# Altium PCB pcb_.PcbDoc
Units mil, origin at the board's own origin, x right, y up, seen from the top; angles counter-clockwise.
Board outline 3149.61 x 3307.09 mil, 4 copper layers (Top Layer, Layer 1, Layer 2, Bottom Layer), stack 23.756 mil thick; 88 components, 79 nets, 394 pads, 77 vias.
Unrouted connection lines stored in the file: 69.
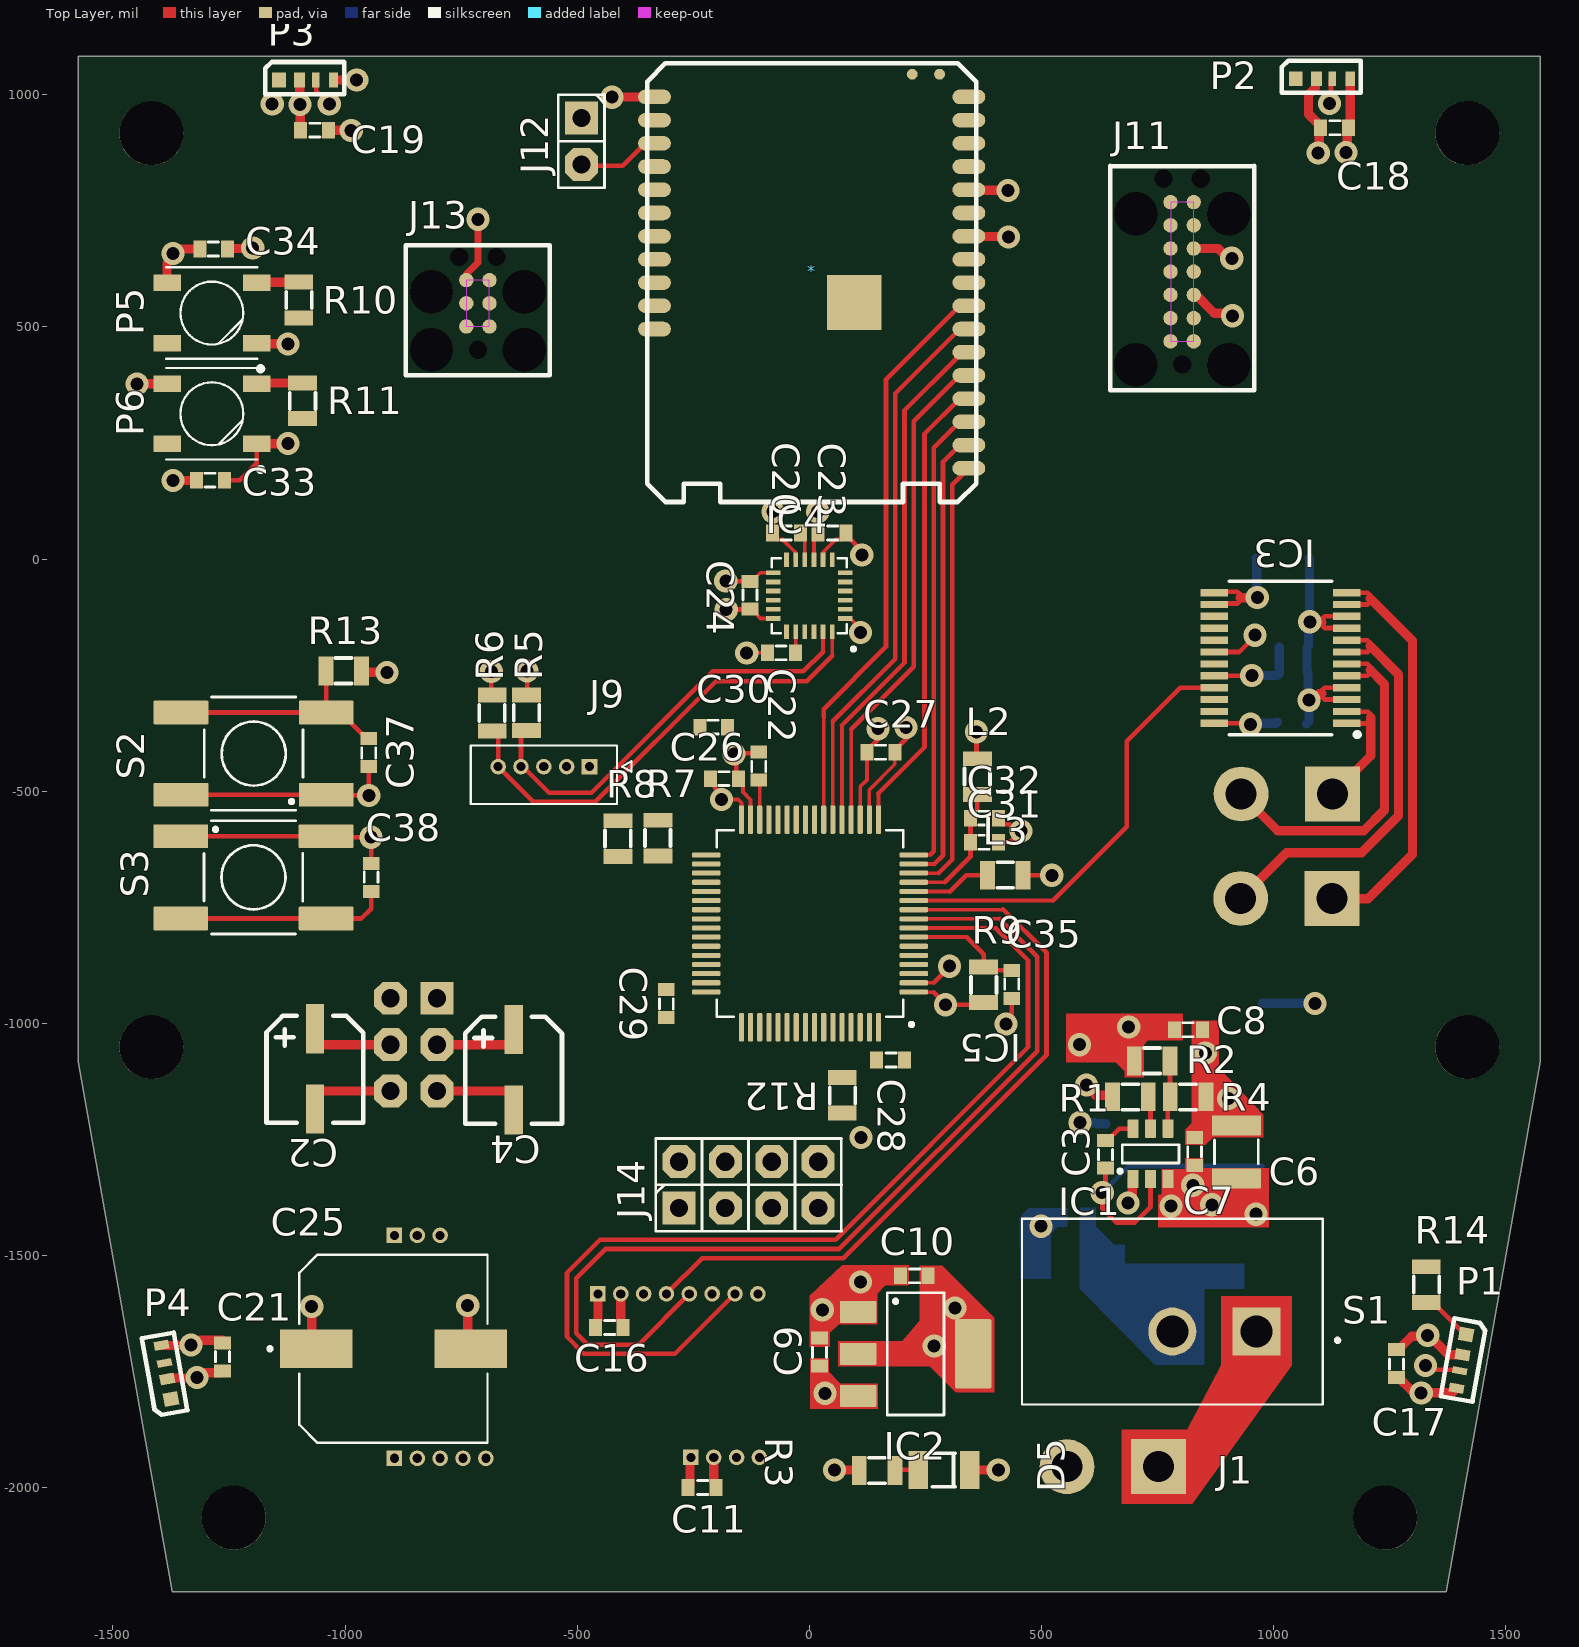
[diagram p0: Top Layer view]
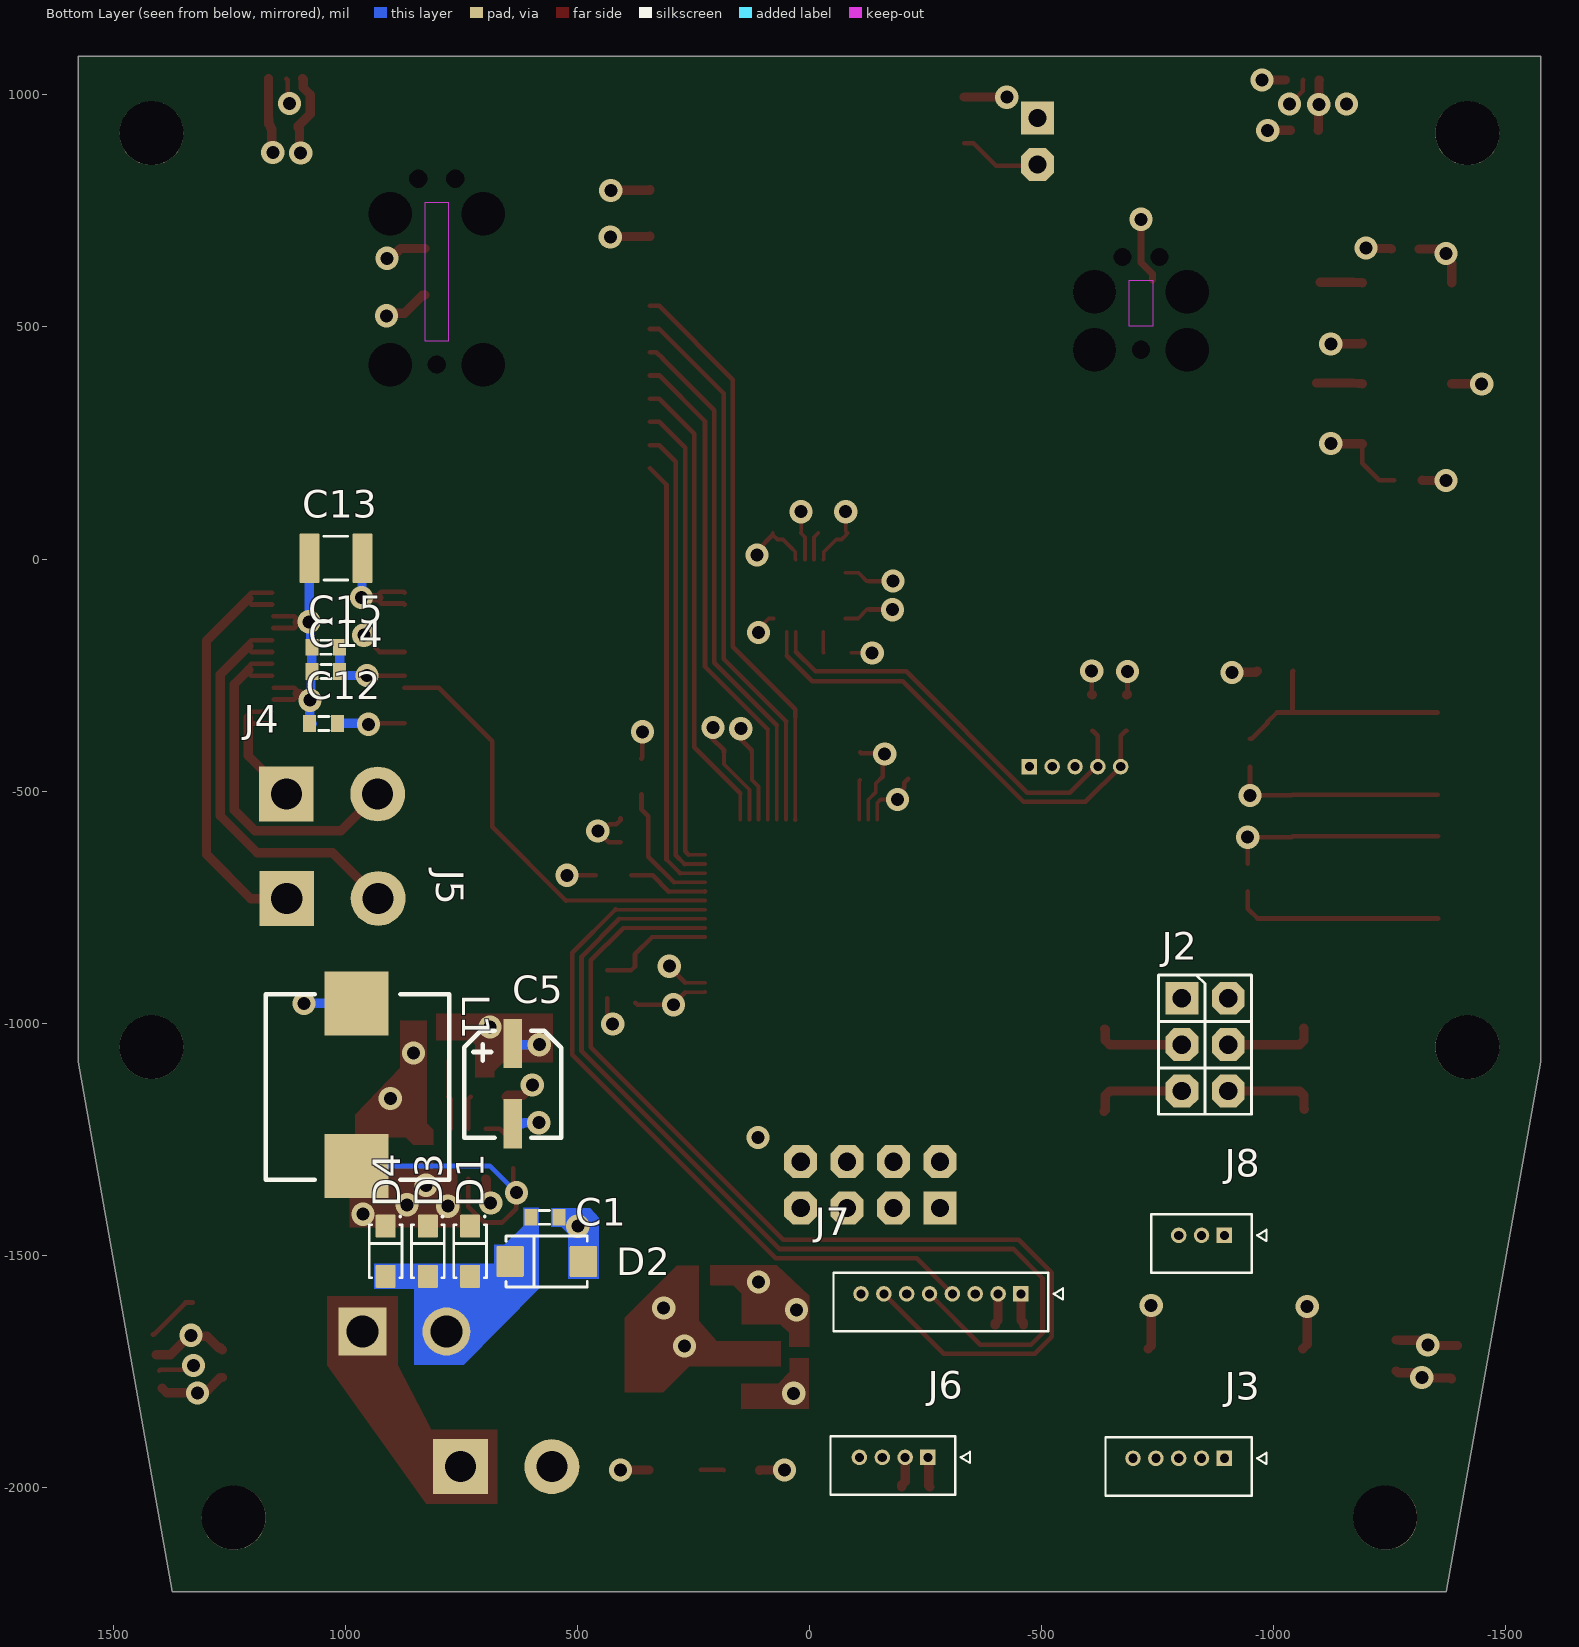
[diagram p1: Bottom Layer view, seen from below]
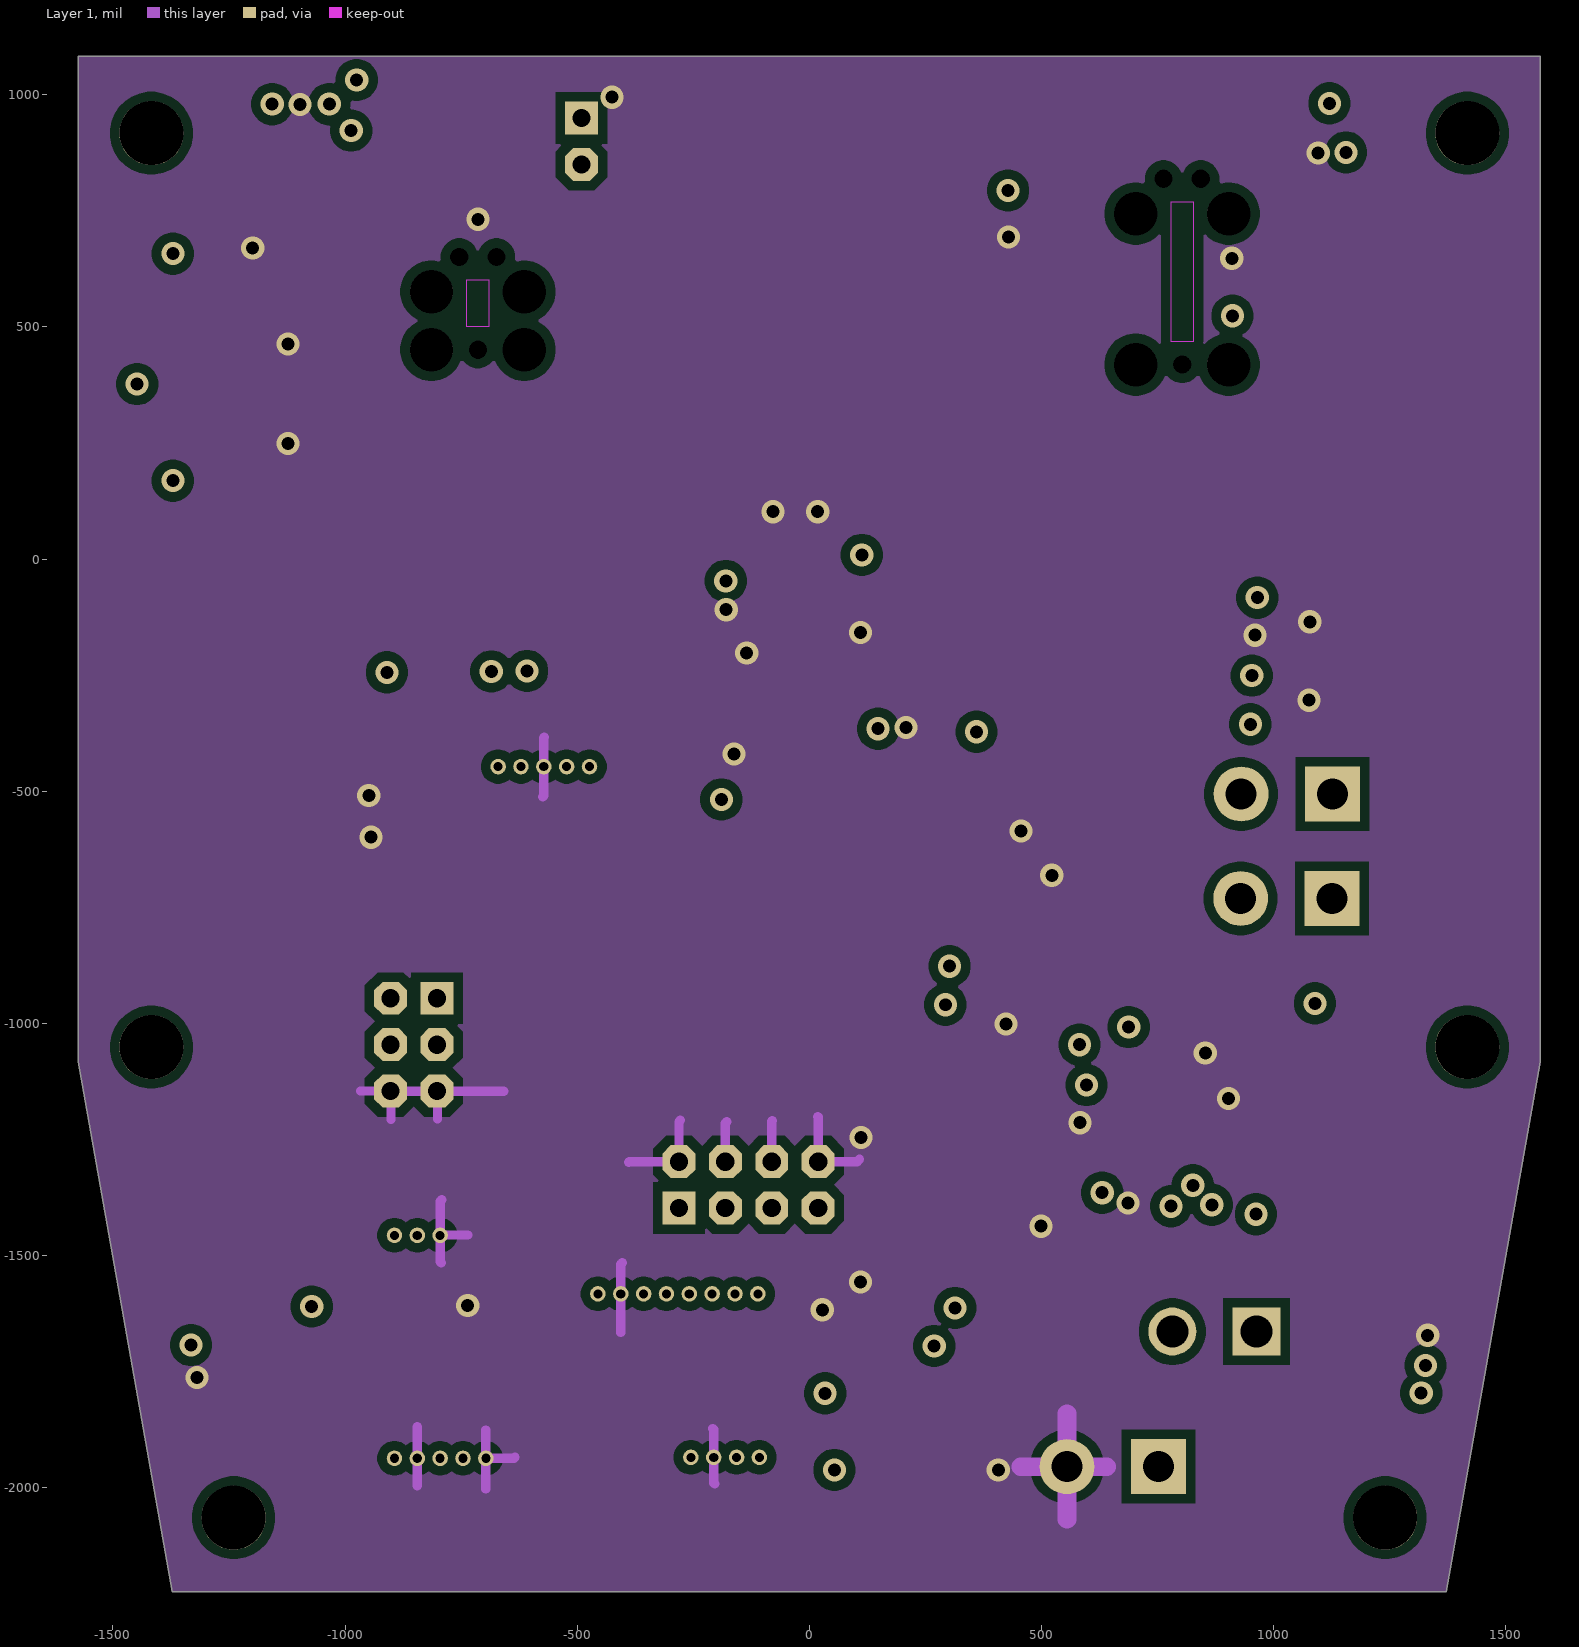
[diagram p2: Layer 1]
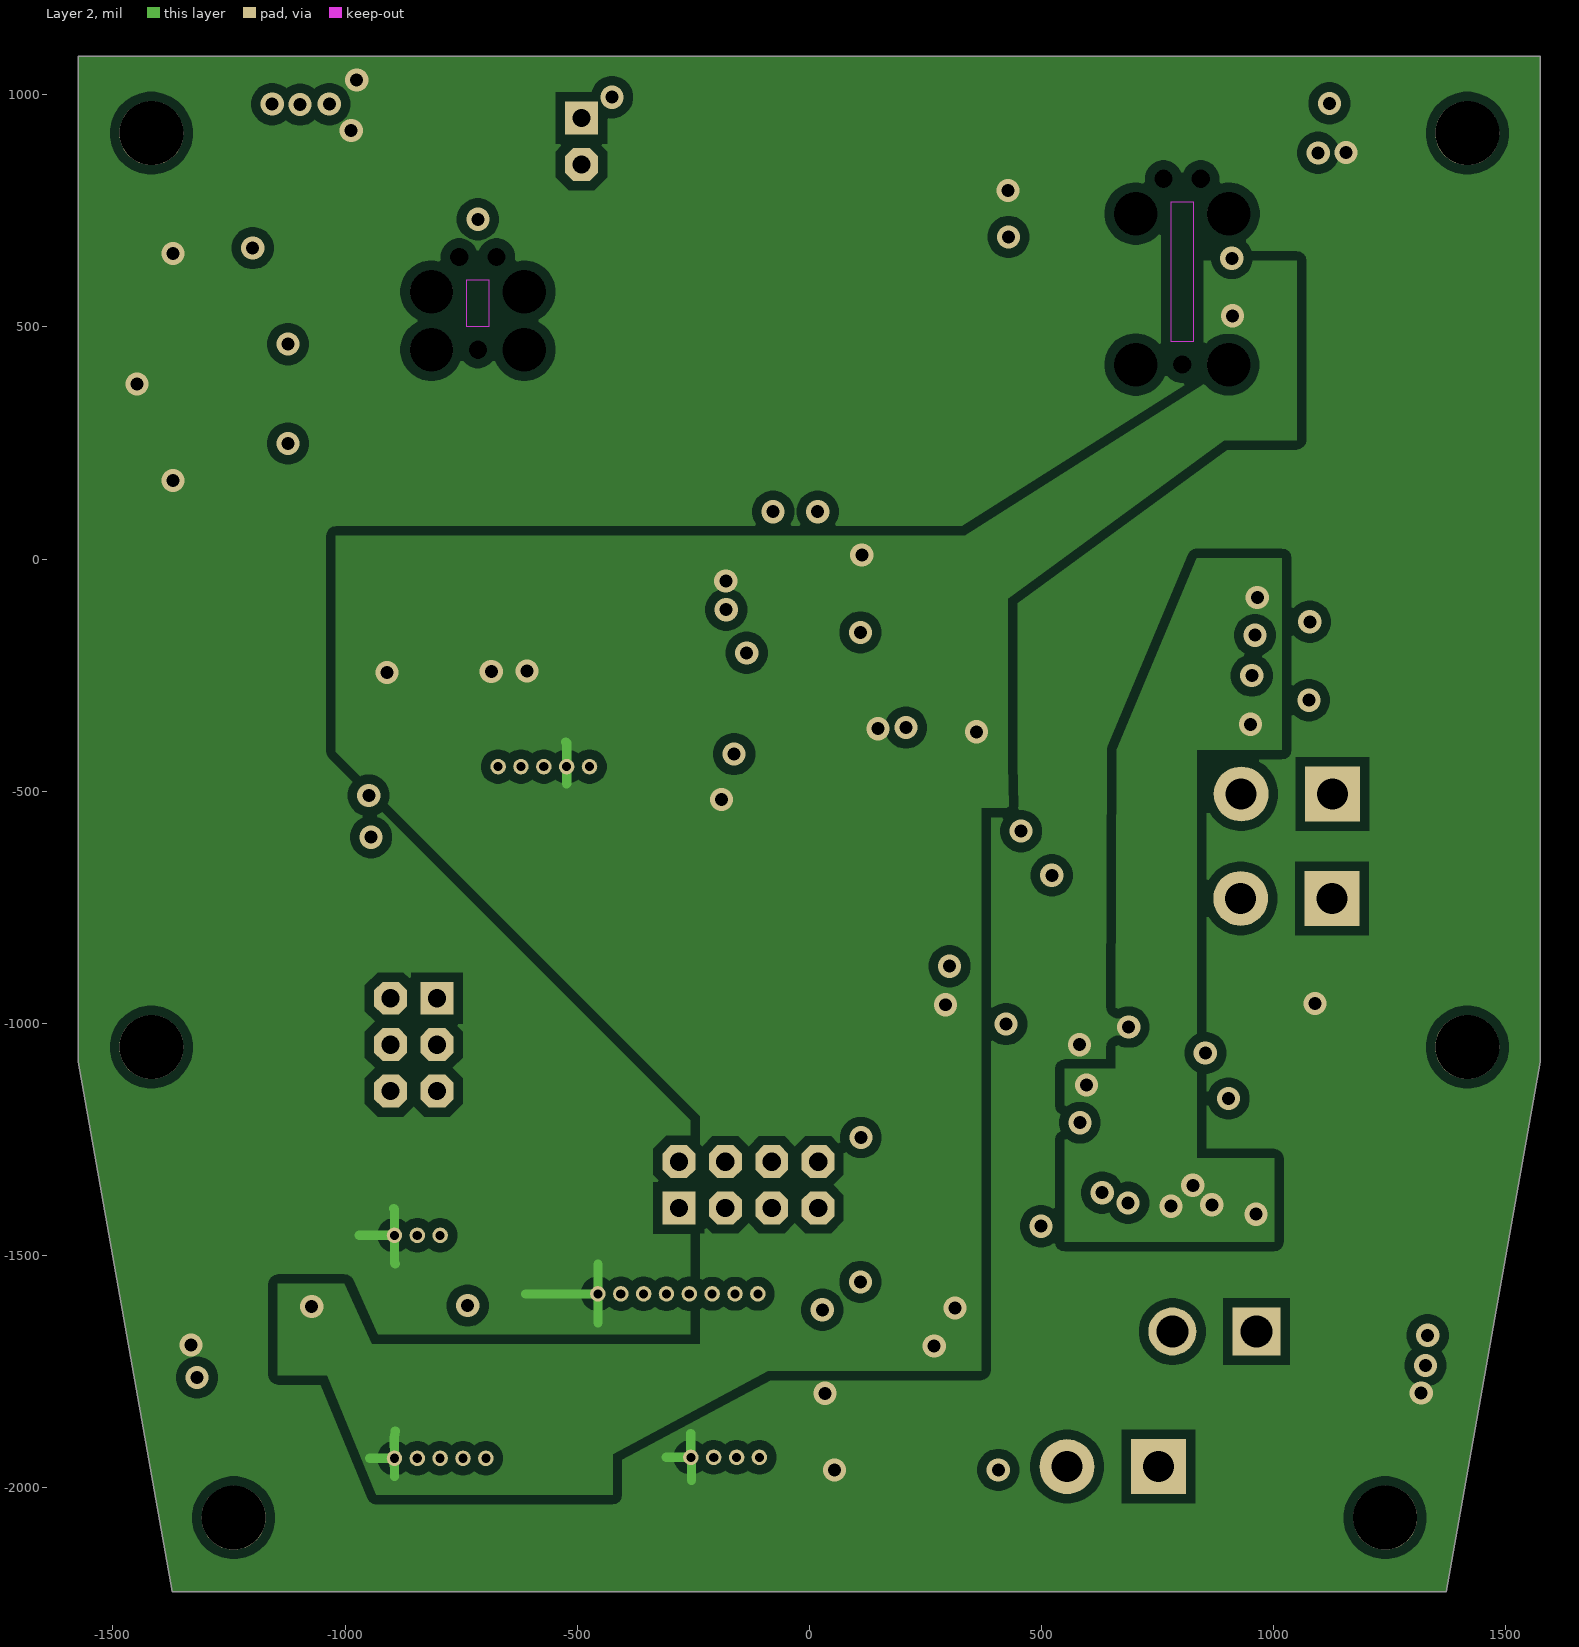
[diagram p3: Layer 2]

## Layer stack, top to bottom
Top Solder: solder mask 0.4, Solder Resist, Dk 3.5
Top Layer: signal copper 1.4
Dielectric 2: prepreg 2.8, PP-006, Dk 4.1
Layer 1: signal copper 1.378
Dielectric 1: dielectric 12.6, FR-4, Dk 4.8
Layer 2: signal copper 1.378
Dielectric 3: prepreg 2.8, PP-006, Dk 4.1
Bottom Layer: signal copper 1.4
Bottom Solder: solder mask 0.4, Solder Resist, Dk 3.5

## Board outline
-1372.12,-2224.3 -1574.69,-1082.57 -1574.69,1082.79 1574.91,1082.79 1574.91,-1082.57 1372.34,-2224.3

## Design rules (kind name [scope] priority, off if disabled: settings)
Clearance Clearance_poly [(InPoly)] p1: gap=20 ignorepadtopadclearanceinfootprint=FALSE
Clearance Clearance_IC [IsPad AND HasFootprint('LM3150') OR IsPad AND HasFootprint('TSSOP14') OR IsPad AND HasFootprint('LQFP48') OR IsPad AND HasFootprint('SOT363') OR IsPad AND HasFootprint('SOT563') OR IsPad AND  HasFootprint('STM32F446RET6') OR IsPad AND  HasFootprint('MSOP-8') OR IsPad AND HasFootprint('MPU_6050') OR IsPad AND HasFootprint('SOP65P760X160-24N') OR IsPad AND    HasFootprint('MEC6-130-02-L-D-RA1')] p2: gap=6 ignorepadtopadclearanceinfootprint=FALSE
Clearance [All] p3: gap=10 ignorepadtopadclearanceinfootprint=FALSE except(0: Arc-Hole Track-Hole SMDPad-Hole THPad-Hole Via-Hole Fill-Hole Poly-Hole Region-Hole Text-Hole)
ComponentClearance [All] p1: gap=20 collisioncheckmode=3 verticalgap=10 showdistances=FALSE
Height [All] p1: minheight=0 maxheight=1500 prefheight=1000
HoleSize [All] p1: absolutevalues=TRUE maxlimit=334.65 minlimit=11.81 maxpercent=80.000 minpercent=20.000
MinimumAnnularRing [All] p1: minimumring=5.91
MinimumSolderMaskSliver [All] p1: minsoldermaskwidth=2
PlaneClearance [All] p1: clearance=10
PolygonConnect PolygonConnect_via [All vs IsVIa] p1: connectstyle=Direct reliefconductorwidth=10 reliefentries=4 polygonreliefangle="90 Angle" airgapwidth=10
PolygonConnect [All] p2: connectstyle=NoConnect reliefconductorwidth=10 reliefentries=4 polygonreliefangle="90 Angle" airgapwidth=20
RoutingVias [All] p1: holewidth=11.81 width=19.68 viastyle="Through Hole" minholewidth=10 minwidth=15 maxholewidth=28 maxwidth=50
SilkToSolderMaskClearance SilkscreenOverComponentPads [IsPad] p1: minsilkscreentomaskgap=0 clearancetoexposedcopper=TRUE
SolderMaskExpansion SolderMaskExpansion_fid [HasFootprint('FIDUCIAL_RUND_1.524mm')] p1: expansion=78.74 istentingtop=FALSE
SolderMaskExpansion SolderMaskExpansion_Vias [(IsVia)] p2: expansion=-3.94 istentingtop=FALSE
SolderMaskExpansion [All] p3: expansion=4 istentingtop=FALSE
Width [All] p1: maxlimit=40 minlimit=6 preferedwidth=10 minimp=50.000000 maximp=50.000000 favimp=50.000000
24 further rules are at their usual default settings.

## Classes and differential pairs
component class U_Microcrontroller: "    " * C26 C27 C28 C29 C30 C31 C32 C33 C34 C35 C37 C38 IC5 J11 J12 J13 J14 L2 L3 P5 P6 R9 R10 R11 R12 R13 S2 S3
component class robocar: C1 C2 C3 C4 C5 C6 C7 C8 C9 C10 C11 C12 C13 C14 C15 C16 C17 C18 C19 C20 C21 C22 C23 C24 C25 D1 D2 D3 D4 D5 IC1 IC2 IC3 IC4 J1 J2 J3 J4 J5 J6 J7 J8 J9 L1 P1 P2 P3 P4 R1 R2 R3 R4 R5 R6 R7 R8 R14 S1

## Components (designator, comment, footprint, x,y, rotation, side; value= is the part's Value field where it differs from the comment)
* "StampS3" Stamp-S3-SMD 0,590.55 r180 top
C1 "C 100nF 0603" 0603 570,-1418 r180 bottom value=100nF
C2 "C 47uF ALUM" HA1C470WR -1065,-1098 r180 top value=47uF
C3 "C 100nF 0603" 0603 638,-1282 r90 top value=100nF
C4 "C 47uF ALUM" HA1C470WR -637,-1100 r180 top value=47uF
C5 "C 47uF ALUM" HA1C470WR 639,-1130 r0 bottom value=47uF
C6 "C 10uF 1210" C_1210_A 920,-1277 r90 top value=10uF
C7 "C 100nF 0603" 0603 830,-1276 r90 top value=100nF
C8 "C 100nF 0603" 0603 817,-1014 r0 top value=100nF
C9 "C 10uF 0603" 0603 22,-1708 r90 top value=10uF
C10 "C 10uF 0603" 0603 226,-1544 r180 top value=10uF
C11 "C 10uF 0603" 0603 -231,-2000 r180 top value=10uF
C12 "C 100nF 0603" 0603 1047,-354 r0 bottom value=100nF
C13 "C 10uF 1210" C_1210_A 1020,2 r0 bottom value=10uF
C14 "C 100nF 0603" 0603 1042,-242 r0 bottom value=100nF
C15 "C 10uF 0603" 0603 1042,-190 r0 bottom value=10uF
C16 "C 10uF 0603" 0603 -431,-1655 r180 top value=10uF
C17 "C 100nF 0603" 0603 1265,-1733 r90 top value=100nF
C18 "C 100nF 0603" 0603 1131,929 r180 top value=100nF
C19 "C 100nF 0603" 0603 -1066,924 r180 top value=100nF
C20 "C 100nF 0603" 0603 -49,56 r0 top value=100nF
C21 "C 100nF 0603" 0603 -1264,-1719 r270 top value=100nF
C22 "C 2.2nF 0603" 0603 -60,-202 r0 top value=2.2nF
C23 "C 100nF 0603" 0603 49,56 r180 top value=100nF
C24 "C 10nF 0603" 0603 -128,-78 r270 top value=10nF
C25 "" UCD1H221MNL1GS -891,-1696 r0 top
C26 "C 100nF 0603" 0603 -183,-473 r0 top value=100nF
C27 "C 100nF 0603" 0603 154,-416 r0 top value=100nF
C28 "C 100nF 0603" 0603 175,-1079 r180 top value=100nF
C29 "C 100nF 0603" 0603 -308,-957 r90 top value=100nF
C30 "C 4.7uF 0603" 0603 -206,-362 r0 top value=4.7uF
C31 "C 100nF 0603" 0603 377,-610 r0 top value=100nF
C32 "C 1uF 0603" 0603 377,-558 r0 top value=1uF
C33 "C 100nF 0603" 0603 -1290,170 r0 top value=100nF
C34 "C 100nF 0603" 0603 -1283,668 r0 top value=100nF
C35 "C 100nF 0603" 0603 436,-916 r270 top value=100nF
C36 "C 4.7uF 0603" 0603 -109,-446 r90 top value=4.7uF
C37 "C 100nF 0603" 0603 -949,-417 r90 top value=100nF
C38 "C 100nF 0603" 0603 -944,-686 r270 top value=100nF
D1 "Schottky 60V/2A" SOD-123FL 731,-1491 r270 bottom
D2 "SMAJ12CA" SMA 566,-1513 r180 bottom
D3 "Schottky 60V/2A" SOD-123FL 822,-1491 r270 bottom
D4 "Schottky 60V/2A" SOD-123FL 913,-1491 r270 bottom
D5 "LED GREEN" LED_1206 290,-1962 r180 top
IC1 "Buck_5A_17V" SOT23-6 735,-1281 r90 top
IC2 "LDO_1A_3V3" SOT223 229,-1712 r0 top
IC3 "TB6612FNG" SOP65P760X160-24N 1015,-213 r180 top
IC4 "MPU-6050" MPU_6050 0,-78.74 r180 top
IC5 "STM32F446RE" STM32F446RET6 0,-787.4 r180 top
J1 "XT30PW" XT30PW-UP-M 751.85,-1955 r180 top
J2 "Pinheader_2x3" 61300621121 -802,-946 r270 bottom
J3 "PicoBlade_5_Vertical" PicoBlade_5_Vertical -893.7,-1937 r180 bottom
J4 "XT30PW" XT30PW-UP-F 1127,-506 r180 bottom
J5 "XT30PW" XT30PW-UP-F 1126,-731 r180 bottom
J6 "PicoBlade_4_Vertical" PicoBlade_4_Vertical -255.21,-1935 r180 bottom
J7 "PicoBlade_8_Vertical" PicoBlade_8_Vertical -455.43,-1582.69 r180 bottom
J8 "PicoBlade_3_Vertical" PicoBlade_3_Vertical -893.7,-1456.69 r180 bottom
J9 "PicoBlade_5_Vertical" PicoBlade_5_Vertical -473.57,-447 r0 top
J11 "TC2070" TC2070 828,469 r90 top
J12 "2Pin_Male" Header1x2_254 -491,900 r270 top
J13 "TC2030" TC2030 -689,501 r90 top
J14 "Pinheader_2x4" 61300821121 -281,-1398 r0 top
L1 "L 4.7uH 13A" SRP1040VA 976,-1132 r90 bottom value=4.7uH
L2 "L Ferrit Bead" 0805 362,-468.5 r90 top value="600Ohm @ 100MHz"
L3 "L Ferrit Bead" 0805 422,-681 r0 top value="600Ohm @ 100MHz"
P1 "SK6812B" SK6812B 1414.73,-1670.63 r79.9 top
P2 "SK6812B" SK6812B 1047.94,1035 r180 top
P3 "SK6812B" SK6812B -1142,1032 r180 top
P4 "SK6812B" SK6812B -1375.27,-1809.37 r280.1 top
P5 "WS2812B" WS2812B_SMD -1287,530 r180 top
P6 "WS2812B" WS2812B_SMD -1287,313 r180 top
R1 "R 10K 0805" 0805 691.5,-1158 r180 top value=10k
R2 "R 56K 0805" 0805 738.5,-1081 r0 top value=56k
R3 "R 47K 0805" 0805 146,-1963 r180 top value=47k
R4 "R 10K 0805" 0805 816,-1158 r180 top value=10k
R5 "R 1K5 0805" 0805 -609,-331 r90 top value=1.5k
R6 "R 1K5 0805" 0805 -683,-331.5 r90 top value=1.5k
R7 "R 1K 0805" 0805 -326,-601 r90 top value=1k
R8 "R 1K 0805" 0805 -412,-602 r90 top value=1k
R9 "R 10K 0805" 0805 375,-917 r270 top value=10k
R10 "R 220R 0805" 0805 -1100,558 r270 top value=470R
R11 "R 220R 0805" 0805 -1092,341 r270 top value=470R
R12 "R 10K 0805" 0805 71,-1155 r270 top value=10k
R13 "R 10K 0805" 0805 -1003,-241 r0 top value=10k
R14 "R 220R 0805" 0805 1329,-1563 r270 top value=470R
S1 "Slide Switch" SW_GF_123_0054 782,-1621 r180 top
S2 "TactileButton" TactileButton-6x6mm -1197,-419 r180 top
S3 "TactileButton" TactileButton-6x6mm -1197.5,-685.58 r0 top
